# Altium PCB MB1419.PcbDoc (part 3 of 5) (continued)
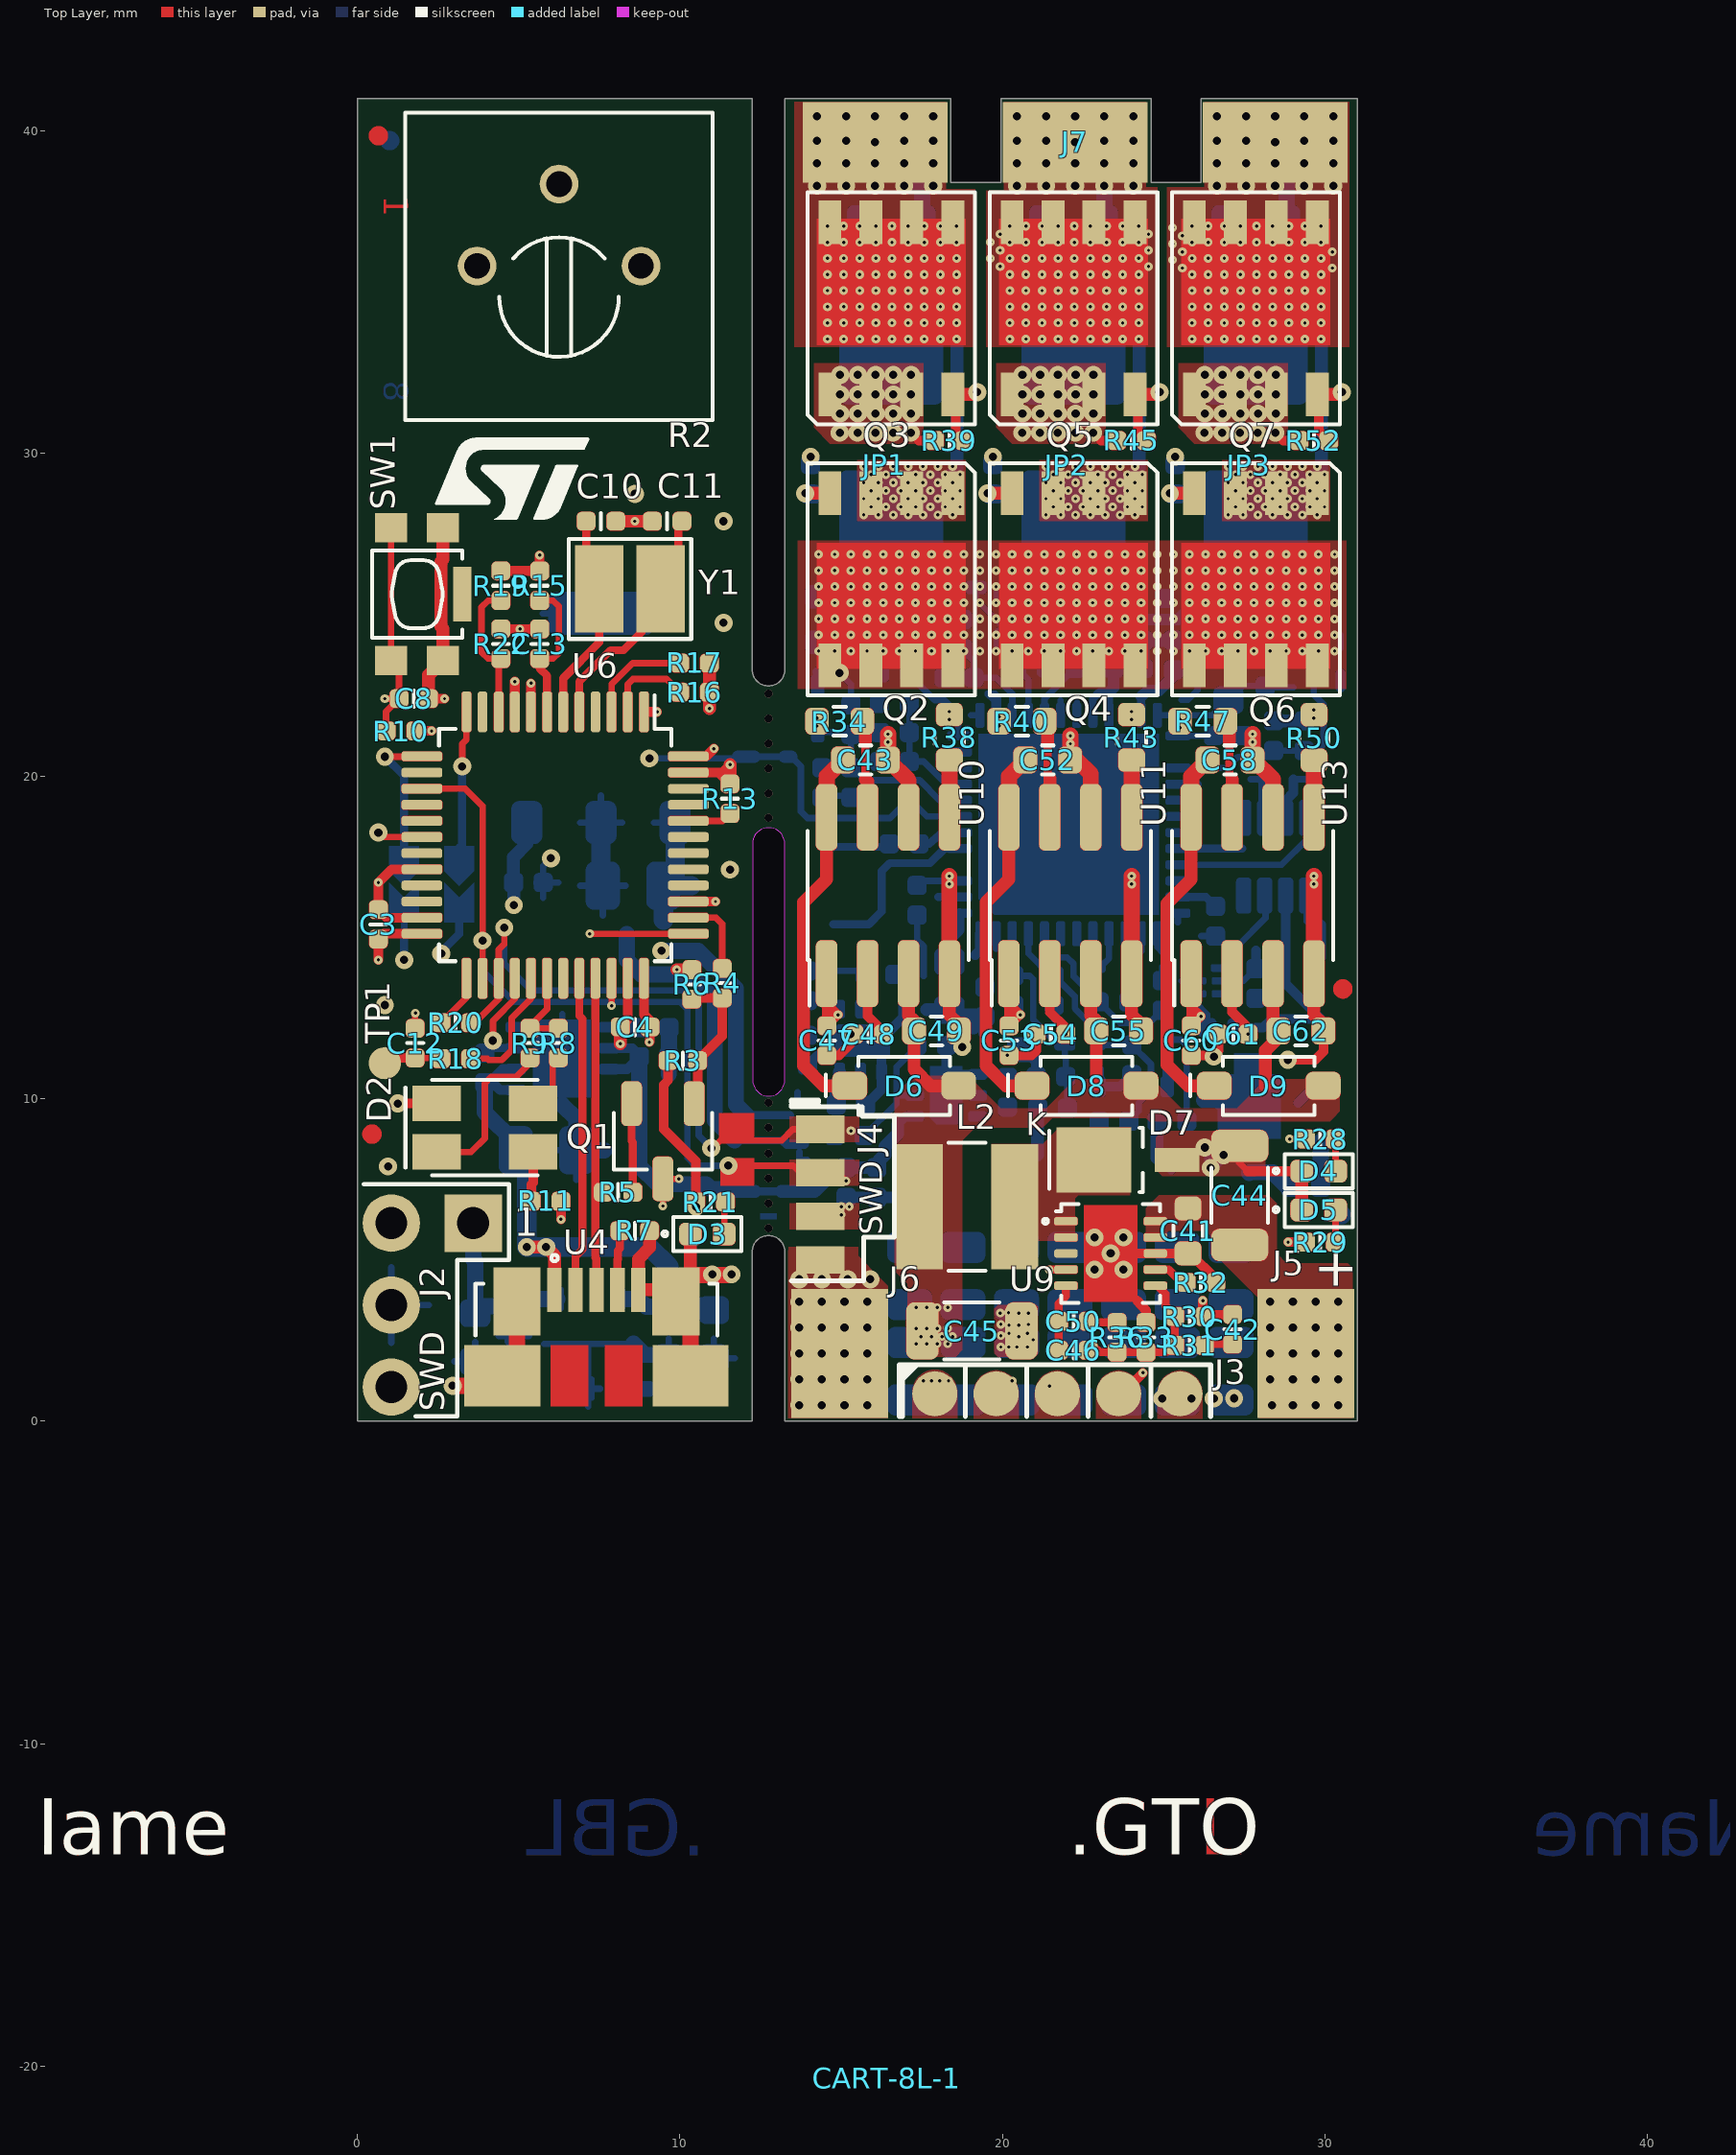
[diagram p0: Top Layer view]
## Nets (pads, with @x,y where several pads share a name; then routed paths per layer and width w, separated by ;. In a path a pad name is that pad's centre, name@x,y a point inside that pad or via, vN(x,y) a via of type N, cw(c..) or ccw(c..) an arc to the next point about the centre after c; other vN are vias at no path point) (continued)
  other v5: 26.65,38.3 27.55,38.3 28.45,38.3 29.35,38.3 30.25,38.3 26.65,39 27.55,39 29.35,39 30.25,39 26.65,39.7 27.55,39.7 29.35,39.7 30.25,39.7 26.65,40.45 27.55,40.45 28.45,40.45 29.35,40.45 30.25,40.45
"PA0 - BUSV": C23.1 D16.A R68.2 R76.1 U8.8 | length 6.8
  Bottom Layer w0.2: D16.A@14.27,21.37 14.697,21.37 14.747,21.32 14.753,21.32 14.783,21.29 R68.2@15.3,21.29 R76.1@15.3,20.26 ; C23.1@14.4,20.26 R76.1@15.3,20.26 ; U8.8@18.665,19.25 18.048,19.25 17.428,19.87 15.757,19.87 R76.1@15.3,20.26
PC13-UL: C47.1 U8.2 U10.1 | length 10.2
  Top Layer w0.3: v3(14.9,12.6) 14.894,12.6 v1@14.892,12.602 ; U10.1@14.55,12.944 14.545,12.949 U10.1@14.545,13.875 14.55,13.87 U10.1@14.55,12.944 ; U10.1@14.55,12.944 v1@14.892,12.602 ; U10.1@14.55,12.944 C47.1@14.55,12.26 v1@14.892,12.602
  Signal Layer 2 w0.3: v3(14.9,12.6) v6(15.2,12.9)
  Signal Layer 4 w0.25: v6(15.2,12.9) 15.35,13.05 15.35,15.4 15.95,16 v6(17.65,16)
  Signal Layer 5 w0.2: v6(17.65,16) 17.75,16 v4(18,16.25)
  Bottom Layer w0.25: v4(18,16.25) U8.2@18.665,16.25
  other v1: 14.9,12.6
  other v2: 18,16.25
PWM: J3.4 U8.38 | length 15
  Top Layer w0.2: J3.4@23.6,0.85 J3.4@23.7,0.85
  Top Layer w0.3: J3.4@23.7,0.85 v3(24.35,1.5)
  Signal Layer 2 w0.2: v3(24.35,1.5) v6(24.35,2.016)
  Signal Layer 4 w0.2: v6(24.35,2.016) 24.35,2.75 24.85,3.25 24.85,13.2 24.4,13.65 v6(24.4,14.25)
  Signal Layer 5 w0.2: v6@24.3,14.5 24.3,14.4 24.4,14.3 v6(24.4,14.25)
  Bottom Layer w0.2: v4(24.3,14.575) U8.38@24.3,15.115
  other v1: 24.35,1.5
  other v2: 24.3,14.575
PWR_ENN: R12.2 U5.3 U6.28 | length 4.1
  Top Layer w0.2: v5(4.2,11.8) 4.2,12.406 4.259,12.466 4.259,12.473 4.88,13.093 U6.28@4.88,13.73
  Bottom Layer w0.2: R12.2@3.95,11.41 R12.2@3.95,11.55 ; R12.2@3.95,11.55 v5(4.2,11.8) 4.15,11.8 3.95,11.6 R12.2@3.95,11.55
  Bottom Layer w0.25: R12.2@3.95,11.41 4.105,11.565 U5.3@4.905,11.565
S1: R1.1 U1.4 | length 1.2
  Bottom Layer w0.2: U1.4@25.98,13.25 25.98,12.97 26.34,12.61 R1.1@26.34,12.2
SPEED: C22.1 R2.2 U8.25 | length 40.3
  Signal Layer 3 w0.2: R2.2@6.25,38.355 6.25,27.25 11.327,22.173 13.177,22.173 15.95,19.4 15.95,17.8 17.179,16.571 19.421,16.571 20.45,17.6 v6(23.25,17.6)
  Signal Layer 4 w0.2: v6(23.25,17.6) 23.25,18.35 v6(26.15,21.25)
  Signal Layer 5 w0.2: v6(26.15,21.25) v4(26.55,21.25)
  Bottom Layer w0.2: U8.25@25.435,21.25 C22.1@26.54,21.25 v4(26.55,21.25)
  other v2: 26.55,21.25
STATUS: R28.1 U8.29 | length 14.7
  Top Layer w0.2: v3(28.9,8.75) R28.1@29.39,8.75
  Signal Layer 2 w0.2: v6(28.45,8.75) v3(28.9,8.75)
  Signal Layer 4 w0.2: v6(25.55,19.25) 25.55,15.849 26,15.399 26,14.05 25.25,13.3 25.25,11.3 27.8,8.75 v6(28.45,8.75)
  Signal Layer 5 w0.2: v6(25.55,19.25) 25.95,19.25 v4(25.975,19.275)
  Bottom Layer w0.2: U8.29@25.435,19.25 25.993,19.25 v2@26.025,19.282
  other v1: 28.9,8.75
  other v2: 25.975,19.275
STM_JTCK: J2.2 U6.37 | length 14.9
  Top Layer w0.2: v3(7.2,15.11) U6.37@10.26,15.11
  Signal Layer 2 w0.2: v6(6.684,15.11) v3(7.2,15.11)
  Signal Layer 3 w0.2: J2.2@1.05,6.14 1.05,6.916 6.684,12.55 v6(6.684,15.11)
  other v1: 7.2,15.11
STM_JTMS: J2.4 U6.34 | length 15.5
  Top Layer w0.2: v3(7.88,12.88) U6.34@7.88,13.73
  Signal Layer 2 w0.2: v6(7.6,12.55) 7.88,12.83 v3(7.88,12.88)
  Signal Layer 3 w0.2: J2.4@1.05,1.06 2.25,2.26 2.25,7.2 v6(7.6,12.55)
  other v1: 7.88,12.88
STM_RST: C13.1 R15.2 U6.7 | length 4.5
  Top Layer w0.2: C13.1@5.65,23.64 6.06,23.64 6.25,23.83 6.25,25.25 6.06,25.44 R15.2@5.65,25.44
  Top Layer w0.25: C13.1@5.65,23.64 5.65,23.34 5.88,23.11 U6.7@5.88,21.99
T_JTCK: J4.2 U6.15 U6.26 U8.37 | length 42.9
  Top Layer w0.2: U6.15@2,19.61 3.34,19.61 3.88,19.07 v5(3.88,14.9) U6.26@3.88,13.73 ; v5(11.5,7.923) 13.511,7.923 13.534,7.9 13.792,7.642 13.85,7.7 J4.2@14.35,7.7 14.85,7.7 14.862,7.688 14.912,7.688 v3(15.15,7.45)
  Signal Layer 2 w0.2: v3(15.15,7.45) v6(15.55,7.45)
  Signal Layer 3 w0.2: v6(17.021,14.1) 18.55,14.1 19.5,15.05 23.194,15.05 23.386,14.858 24.692,14.858 25.05,14.5 v6(25.4,14.5)
  Signal Layer 4 w0.2: v6(15.55,7.45) 15.55,8.15 17.1,9.7 17.1,12.75 17.021,12.829 v6(17.021,14.1)
  Signal Layer 5 w0.2: v4@24.975,14.506 25.394,14.506 v6(25.4,14.5)
  Bottom Layer w0.2: v5(3.88,14.9) 3.88,13.97 4.85,13 10,13 10.23,12.77 10.23,8.17 10.477,7.923 v5(11.5,7.923) ; U8.37@24.8,15.115 24.8,14.7 v4(24.975,14.525)
  other v1: 15.15,7.45
  other v2: 24.975,14.525
T_JTDI: U6.17
T_JTDO: U6.16
T_JTMS: J4.1 R20.2 U6.27 U8.36 | length 36.6
  Top Layer w0.2: R20.2@3.51,12.35 3.642,12.35 4.38,13.088 U6.27@4.38,13.73 4.38,14.621 4.55,14.791 v5(4.55,15.3) ; v5(10.969,8.469) 11.019,8.469 11.25,8.7 13.15,8.7 13.5,9.05 J4.1@14.35,9.05 14.4,9.1 J4.1@14.85,9.1
  Signal Layer 2 w0.2: v6@15.3,9.1 v6(15.3,9.35)
  Signal Layer 3 w0.2: v6(16.35,14.6) 16.45,14.6 16.479,14.629 18.379,14.629 19.15,15.4 23.339,15.4 23.489,15.25 24.654,15.25 24.683,15.222 v6(25.189,15.222)
  Signal Layer 4 w0.2: v6(15.3,9.35) 16.255,9.35 16.75,9.845 16.75,12.5 16.35,12.9 v6(16.35,14.6)
  Signal Layer 5 w0.2: v6(25.189,15.222) 25.432,15.465 v4(25.435,15.465)
  Bottom Layer w0.2: v5(4.55,15.3) 4.55,14.2 5.4,13.35 10.145,13.35 10.58,12.915 10.58,8.858 v5(10.969,8.469) ; v4(25.435,15.465) U8.36@25.435,15.75
  other v1: 15.3,9
  other v2: 25.435,15.465
  other v3: 15.3,9
T_NRST: C21.1 U6.18 U8.7 | length 22.5
  Top Layer w0.2: v5(0.65,18.25) 0.79,18.11 U6.18@2,18.11
  Signal Layer 3 w0.2: v5(0.65,18.25) 4.45,18.25 6.75,20.55 v5(9.05,20.55)
  Bottom Layer w0.2: v5(9.05,20.55) 11.75,20.55 11.8,20.6 ; 12.3,20.6 13.25,20.6 ; 13.45,20.6 13.75,20.3 13.75,18.901 13.95,18.701 15.656,18.701 ; 15.657,18.7 16.51,18.7 C21.1@17.11,19.3 17.66,18.75 U8.7@18.665,18.75
  Bottom Layer w0.4: 11.8,20.6 12.3,20.6 ; 13.25,20.6 13.45,20.6
T_SWDIO_IN: R20.1 U6.25 | length 1.7
  Top Layer w0.2: R20.1@2.59,12.35 3.38,13.14 U6.25@3.38,13.73
T_SWO: U6.31
"TEMPERATURE FEEDBACK": C66.1 R60.1 RT1.2 U8.27 | length 10.7
  Bottom Layer w0.2: U8.27@25.435,20.25 26.95,20.25 27.296,20.596 28.205,20.596 C66.1@28.4,20.79 R60.1@29.35,20.79 29.75,20.79 29.95,20.99 29.95,22.223 29.65,22.523 29.65,25.7 29.45,25.9 RT1.2@28.66,25.9
U5V: C7.1 C14.1 C15.1 R3.2 R12.1 R21.1 U4.1 U5.1 U5.2 U7.1 U7.6 | length 31.5
  Top Layer w0.3: R3.2@9.63,11.18 9.63,10.563 9.5,10.433 9.5,9.05 10.49,8.06 R21.1@10.49,6.8
  Top Layer w0.4: v5(5.25,5.4) v5(5.85,5.4) 6.111,5.139 U4.1@6.111,4.074 ; R21.1@10.49,6.8 10.49,6.66 v5(10.5,6.65)
  Signal Layer 5 w0.3: v4(8.8,1) 9.05,1.25 9.05,4 9.65,4.6 v4(9.65,4.8) 9.65,5.8 v5(10.5,6.65)
  Bottom Layer w0.2: 8.5,1 8.508,1.008
  Bottom Layer w0.3: R12.1@3.95,10.49 R12.1@4.075,10.49 ; U5.1@4.905,10.265 4.425,10.265 4.2,10.49 R12.1@4.075,10.49 ; U5.2@4.905,10.915 4.5,10.915 R12.1@4.075,10.49
  Bottom Layer w0.5: R12.1@3.95,10.49 3.95,9.575 4.91,8.615 C7.1@4.91,8.4 ; U7.1@8.1,1.01 8.49,1.01 8.5,1 v4(8.8,1) ; U7.6@8.1,3.79 8.713,3.79 8.958,3.545 9.55,3.545 C14.1@9.65,3.445 ; 8.508,1.008 8.791,1.008 v4(8.8,1) ; 9.05,1 v4(8.8,1)
  Bottom Layer w0.6: C7.1@4.91,8.4 5.25,8.06 v5(5.25,5.4) v5(5.85,5.4) 9.05,5.4 v4(9.65,4.8) C14.1@9.65,3.445 9.75,3.545 10.95,3.545 C15.1@11.05,3.445
  other v2: 8.8,1 9.65,4.8
UH: C48.1 U8.30 U10.2 | length 21.1
  Top Layer w0.2: C48.1@16.278,12 16.278,11.932 C48.1@16.288,11.922 ; C48.1@16.288,11.978 C48.1@16.31,12
  Top Layer w0.3: U10.2@15.815,13.875 15.815,12.563 16.288,12.09 16.288,11.978 C48.1@16.288,11.922
  Signal Layer 2 w0.3: v6(16,12.1) 16.01,12.1 v3(16.31,11.8)
  Signal Layer 3 w0.25: v6(16.65,15.4) 18.325,15.4 18.75,15.825 26.025,15.825 26.811,16.611 26.811,18.66 v6(26.45,18.95)
  Signal Layer 4 w0.25: v6(16,12.1) 15.754,12.346 15.754,15.15 16.004,15.4 v6(16.65,15.4)
  Signal Layer 5 w0.2: v4(26.052,18.75) 26.25,18.75 v6(26.45,18.95)
  Bottom Layer w0.2: U8.30@25.435,18.75 v4(26.052,18.75)
  other v1: 16.31,11.8
  other v2: 26.052,18.75
USART2_RX: J3.3 R23.1 U8.42 | length 43.5
  Top Layer w0.2: v3(21.45,1.087) 21.513,1.087 21.7,0.9 J3.3@21.7,0.85
  Signal Layer 2 w0.2: v3(21.45,1.087) v6(21.45,1.55)
  Signal Layer 3 w0.2: v5(2.6,14.501) 2.6,14.9 6.859,19.159 12.191,19.159 12.257,19.093 13.353,19.093 13.75,18.696 13.75,15.205 16.784,12.171 19.329,12.171 19.8,11.7 20.951,11.7 v6(21.601,11.051)
  Signal Layer 4 w0.2: v6(21.45,1.55) 21.8,1.9 21.8,10.345 21.601,10.544 v6(21.601,11.051)
  Signal Layer 5 w0.2: v6(21.601,11.051) 22.509,11.959 22.509,14.319 22.3,14.528 v4(22.3,14.95)
  Bottom Layer w0.2: v4(22.3,14.95) U8.42@22.3,15.115
  Bottom Layer w0.25: v5(2.6,14.501) 2.6,14.55 3.15,15.1 R23.1@3.15,16.085
  other v1: 21.45,1.087
  other v2: 22.3,14.95
USART2_RX_ST_LINK: J3.2 R24.1 U8.41 | length 47.7
  Top Layer w0.2: J3.2@19.8,0.85 19.9,0.85 v3(20.3,1.25)
  Signal Layer 2 w0.2: v3(20.3,1.25) v6(20.75,1.25)
  Signal Layer 3 w0.2: v5(1.45,14.3) 6.75,19.6 11.549,19.6 11.799,19.85 13.15,19.85 14.2,18.8 14.2,15.25 16.9,12.55 18.55,12.55 18.804,12.804 20.596,12.804 v6(22.4,11)
  Signal Layer 4 w0.2: v6(20.75,1.25) 21,1 21.649,1 22.25,1.601 22.25,10.344 22.4,10.494 v6(22.4,11)
  Signal Layer 5 w0.2: v6(22.4,11) 22.859,11.459 22.859,14.464 22.8,14.523 v4(22.8,14.9)
  Bottom Layer w0.2: 1.45,15.16 R24.1@1.45,16.085 ; v4(22.8,14.9) U8.41@22.8,15.115
  Bottom Layer w0.25: v5(1.45,14.3) 1.45,15.16
  other v1: 20.3,1.25
  other v2: 22.8,14.9
USB_DM: U4.2 U6.32 | length 9.8
  Top Layer w0.25: U4.2@6.761,4.074 6.761,5.111 6.98,5.33 6.98,12.47 6.88,12.57 U6.32@6.88,13.73
USB_DP: R5.2 U4.3 U6.33 | length 9.9
  Top Layer w0.2: R5.2@7.38,7.1 R5.2@7.62,7.1
  Top Layer w0.25: U6.33@7.38,13.73 7.38,7.1 7.38,5.07 7.411,5.039 7.411,4.075 U4.3@7.41,4.074
USB_RENUMN: R4.1 U6.38 | length 2.5
  Top Layer w0.2: U6.38@10.26,15.61 11.117,15.61 11.31,15.417 R4.1@11.31,14.04
V+: C27.2 C28.2 C29.2 C30.2 C31.2 C32.2 C33.2 C34.2 C35.2 C36.2 C37.2 C38.2 C39.2 C40.2 C41.1 C44.1 D20.C J5.1 Q2.5 Q2.6 Q2.7 Q2.8 Q4.5 Q4.6 Q4.7 Q4.8 Q6.5 Q6.6 Q6.7 Q6.8 R68.1 U9.4 U9.9 U9.10 | length 1.7
  Top Layer w0.2: Q2.5@14.64,23.43 Q2.5@14.645,23.435
  Top Layer w0.25: v1(21.45,4.7) U9.4@21.965,4.7
  Bottom Layer w0.2: v5(14.95,23.2) 15.3,22.85 R68.1@15.3,22.21
  other v1: 14.298,23.875 14.798,23.875 15.298,23.875 15.798,23.875 16.298,23.875 16.798,23.875 17.298,23.875 17.798,23.875 18.298,23.875 18.796,23.874 19.296,23.874 19.796,23.874 20.296,23.874 20.796,23.874 21.296,23.874 21.796,23.874 22.296,23.874 22.794,23.874 23.294,23.874 23.794,23.874 24.294,23.874 24.794,23.874 25.294,23.874 25.794,23.874 26.294,23.874 26.792,23.873 27.292,23.873 27.792,23.873 28.292,23.873 28.792,23.873 29.292,23.873 29.792,23.873 30.292,23.873 14.298,24.375 14.798,24.375 15.298,24.375 15.798,24.375 16.298,24.375 16.798,24.375 17.298,24.375 17.798,24.375 18.298,24.375 18.796,24.374 19.296,24.374 19.796,24.374 20.296,24.374 20.796,24.374 21.296,24.374 21.796,24.374 22.296,24.374 22.794,24.374 23.294,24.374 23.794,24.374 24.294,24.374 24.794,24.374 25.294,24.374 25.794,24.374 26.294,24.374 26.792,24.373 27.292,24.373 27.792,24.373 28.292,24.373 28.792,24.373 29.292,24.373 29.792,24.373 30.292,24.373 14.298,24.875 14.798,24.875 15.298,24.875 15.798,24.875 16.298,24.875 16.798,24.875 17.298,24.875 17.798,24.875 18.298,24.875 18.796,24.874 19.296,24.874 19.796,24.874 20.296,24.874 20.796,24.874 21.296,24.874 21.796,24.874 22.296,24.874 22.794,24.874 23.294,24.874 23.794,24.874 24.294,24.874 24.794,24.874 25.294,24.874 25.794,24.874 26.294,24.874 26.792,24.873 27.292,24.873 27.792,24.873 28.292,24.873 28.792,24.873 29.292,24.873 29.792,24.873 30.292,24.873 14.298,25.375 14.798,25.375 15.298,25.375 15.798,25.375 16.298,25.375 16.798,25.375 17.298,25.375 17.798,25.375 18.298,25.375 18.796,25.374 19.296,25.374 19.796,25.374 20.296,25.374 20.796,25.374 21.296,25.374 21.796,25.374 22.296,25.374 22.794,25.374 23.294,25.374 23.794,25.374 24.294,25.374 24.794,25.374 25.294,25.374 25.794,25.374 26.294,25.374 26.792,25.373 27.292,25.373 27.792,25.373 28.292,25.373 28.792,25.373 29.292,25.373 29.792,25.373 30.292,25.373 14.298,25.875 14.798,25.875 15.298,25.875 15.798,25.875 16.298,25.875 16.798,25.875 17.298,25.875 17.798,25.875 18.298,25.875 18.796,25.874 19.296,25.874 19.796,25.874 20.296,25.874 20.796,25.874 21.296,25.874 21.796,25.874 22.296,25.874 22.794,25.874 23.294,25.874 23.794,25.874 24.294,25.874 24.794,25.874 25.294,25.874 25.794,25.874 26.294,25.874 26.792,25.873 27.292,25.873 27.792,25.873 28.292,25.873 28.792,25.873 29.292,25.873 29.792,25.873 30.292,25.873 14.298,26.375 14.798,26.375 15.298,26.375 15.798,26.375 16.298,26.375 16.798,26.375 17.298,26.375 17.798,26.375 18.298,26.375 18.796,26.374 19.296,26.374 19.796,26.374 20.296,26.374 20.796,26.374 21.296,26.374 21.796,26.374 22.296,26.374 22.794,26.374 23.294,26.374 23.794,26.374 24.294,26.374 24.794,26.374 25.294,26.374 25.794,26.374 26.294,26.374 26.792,26.373 27.292,26.373 27.792,26.373 28.292,26.373 28.792,26.373 29.292,26.373 29.792,26.373 30.292,26.373 14.298,26.875 14.798,26.875 15.298,26.875 15.798,26.875 16.298,26.875 16.798,26.875 17.298,26.875 17.798,26.875 18.298,26.875 18.796,26.874 19.296,26.874 19.796,26.874 20.296,26.874 20.796,26.874 21.296,26.874 21.796,26.874 22.296,26.874 22.794,26.874 23.294,26.874 23.794,26.874 24.294,26.874 24.794,26.874 25.294,26.874 25.794,26.874 26.294,26.874 26.792,26.873 27.292,26.873 27.792,26.873 28.292,26.873 28.792,26.873 29.292,26.873 29.792,26.873 30.292,26.873
  other v5: 28.35,0.5 29,0.5 29.7,0.5 30.4,0.5 28.3,1.3 29,1.3 29.7,1.3 30.4,1.3 28.3,2.1 29,2.1 29.7,2.1 30.4,2.1 28.3,2.9 29,2.9 29.7,2.9 30.4,2.9 28.3,3.7 29,3.7 29.7,3.7 30.4,3.7
VH: C54.1 U8.31 U11.2 | length 13.9
  Top Layer w0.3: U11.2@21.465,13.875 21.465,12.685 21.96,12.19 v3(21.96,12)
  Signal Layer 2 w0.3: v6(21.85,12.45) 21.96,12.34 v3(21.96,12)
  Signal Layer 3 w0.25: v6(21.45,17.071) 22.179,17.071 22.613,16.637 24.983,16.637 v6(26.229,17.884)
  Signal Layer 4 w0.2: v6(21.45,17.071) 21.45,12.85 v6(21.85,12.45)
  Signal Layer 5 w0.2: v4(26.05,18.25) 26.05,18.063 v6(26.229,17.884)
  Bottom Layer w0.2: U8.31@25.435,18.25 v4(26.05,18.25)
  other v1: 21.96,12
  other v2: 26.05,18.25
VL: C53.1 U8.34 U11.1 | length 14.7
  Top Layer w0.3: v3(20.55,12.6) v1@20.54,12.6 ; U11.1@20.2,12.94 20.195,12.945 U11.1@20.195,13.875 20.2,13.87 U11.1@20.2,12.94 ; U11.1@20.2,12.94 v1@20.54,12.6 ; U11.1@20.2,12.94 C53.1@20.2,12.26 v1@20.54,12.6
  Signal Layer 2 w0.3: v6(20.225,12.275) v3(20.55,12.6)
  Signal Layer 3 w0.25: v6(20.85,16.5) 22.079,16.5 22.354,16.225 25.575,16.225 v6(26.1,16.75)
  Signal Layer 4 w0.25: v6(20.225,12.275) 20.85,12.9 v6(20.85,16.5)
  Signal Layer 5 w0.2: v4(25.7,16.75) v6(26.1,16.75)
  Bottom Layer w0.2: U8.34@25.435,16.75 v4(25.7,16.75)
  other v1: 20.55,12.6
  other v2: 25.7,16.75
"VSHUNT_1 +": Q3.1 Q3.2 Q3.3 R39.2 R54.1 R67.2 | length 15.3
  Top Layer w0.2: v5@15.355,30.645 v5(15.505,30.645) ; v5@15.905,30.645 v5@16.015,30.645
  Top Layer w0.3: 17.409,30.4 R39.2@17.89,30.4
  Signal Layer 4 w0.2: v6(15.55,20.55) 15.55,25.505 14.85,26.205 14.85,29.48 15.42,30.05 16.405,30.05 16.605,30.25 v5(16.605,30.645)
  Signal Layer 5 w0.2: v6(15.55,20.55) 16.09,20.55 v4(16.19,20.45)
  Bottom Layer w0.2: v5@14.815,31.235 v5(14.965,31.235) v5@15.365,31.235 ; v5@15.905,30.645 v5(16.055,30.645) v5(16.605,30.645) v5@17.005,30.645 ; v5@15.915,31.235 v5(16.065,31.235) v5@16.465,31.235
  other v2: 16.19,20.45
  other v5: 14.955,30.645 17.155,30.645 15.515,31.235 16.615,31.235 17.165,31.235 14.965,31.835 15.515,31.835 16.065,31.835 16.615,31.835 17.165,31.835 14.965,32.435 15.515,32.435 16.065,32.435 16.615,32.435 17.165,32.435
"VSHUNT_2 +": Q5.1 Q5.2 Q5.3 R45.2 R55.1 R69.2 | length 9.3
  Top Layer w0.2: v5@21.055,30.645 v5(21.155,30.645)
  Top Layer w0.3: 23.059,30.4 R45.2@23.54,30.4
  Signal Layer 4 w0.2: v6(18.85,25.25) 18.85,25.75 20.4,27.3 20.4,29.445 21.005,30.05 22.055,30.05 22.255,30.25 v5(22.255,30.645)
  Signal Layer 5 w0.2: v4(18.04,25.25) v6(18.85,25.25)
  Bottom Layer w0.2: R69.2@17.84,24.85 17.84,24.95 18.04,25.15 v4(18.04,25.25)
  other v2: 18.04,25.25
  other v5: 20.605,30.645 21.705,30.645 22.805,30.645 20.615,31.235 21.165,31.235 21.715,31.235 22.265,31.235 22.815,31.235 20.615,31.835 21.165,31.835 21.715,31.835 22.265,31.835 22.815,31.835 20.615,32.435 21.165,32.435 21.715,32.435 22.265,32.435 22.815,32.435
"VSHUNT_3 +": Q7.1 Q7.2 Q7.3 R52.2 R56.1 R70.2 | length 12.2
  Top Layer w0.3: 28.709,30.4 R52.2@29.19,30.4
  Signal Layer 4 w0.2: v6(22.89,24.51) 22.89,24.004 23.044,23.85 24.305,23.85 25.05,24.595 25.05,26.845 25.95,27.745 25.95,29.345 26.635,30.03 27.8,30.03 27.905,30.135 v5(27.905,30.645)
  Signal Layer 5 w0.2: v4(22.25,24.26) 22.5,24.51 v6(22.89,24.51)
  other v2: 22.25,24.26
  other v5: 26.255,30.645 26.805,30.645 27.355,30.645 28.455,30.645 26.265,31.235 26.815,31.235 27.365,31.235 27.915,31.235 28.465,31.235 26.265,31.835 26.815,31.835 27.365,31.835 27.915,31.835 28.465,31.835 26.265,32.435 26.815,32.435 27.365,32.435 27.915,32.435 28.465,32.435
WH: C61.1 U8.32 U13.2 | length 9.9
  Top Layer w0.3: U13.2@27.115,13.875 27.115,12.685 27.61,12.19 v3(27.61,12)
  Signal Layer 2 w0.3: v6(27.6,12.35) 27.61,12.34 v3(27.61,12)
  Signal Layer 4 w0.2: v6(27.6,12.35) 27.6,12.45 27.61,12.46 v6@27.61,12.5
  Signal Layer 4 w0.25: v6(27.45,17.3) 27.45,13.4 27.61,13.24 v6@27.61,12.5
  Signal Layer 5 w0.2: v4@27.437,17.74 27.45,17.727 v6(27.45,17.3)
  Bottom Layer w0.25: U8.32@25.435,17.75 v4(27.437,17.75)
  other v1: 27.61,12
  other v2: 27.437,17.75
WL: C60.1 U8.28 U13.1 | length 13.2
  Top Layer w0.3: v3(26.15,12.55) v1@26.14,12.55 ; U13.1@25.85,12.84 C60.1@25.85,12.26 v1@26.14,12.55 ; U13.1@25.85,12.84 25.85,13.87 U13.1@25.845,13.875 25.845,12.845 U13.1@25.85,12.84 ; U13.1@25.85,12.84 v1@26.14,12.55
  Signal Layer 2 w0.3: v6(25.8,12.3) 26.05,12.55 v3(26.15,12.55)
  Signal Layer 4 w0.25: v6(25.8,12.3) 25.8,13.081 26.896,14.177 26.896,18.13 27.05,18.284 27.05,19.268 v6(26.568,19.75)
  Signal Layer 5 w0.2: v4(26.052,19.75) v6(26.568,19.75)
  Bottom Layer w0.25: U8.28@25.435,19.75 v4(26.052,19.75)
  other v1: 26.15,12.55
  other v2: 26.052,19.75
Z+/H3: C69.1 D19.A R73.1 R77.1 U8.46 | length 6.5
  Bottom Layer w0.2: U8.46@20.3,15.115 20.3,14.377 20.35,14.327 C69.1@20.35,13.81 20.84,13.81 20.95,13.7 20.95,12.45 21.7,11.7 D19.A@21.93,11.7 21.93,11.273 21.96,11.243 R73.1@21.96,10.68 22.01,10.63 R77.1@22.01,9.7
pads on no net: "SW1. " CART-8L-1.1 U1.6 U5.8 U6.4 U6.11 U6.14 U6.19 U6.21 U6.22 U6.40 U6.41 U6.42 U6.43 U6.45 U6.46 U7.3 U7.5 U8.4 U8.22 U8.26 U9.3 U12.3 U14.3
copper on no net: | length 3.1
  Top Layer w0.4: 0.55,8.9 ccw(c0.45,8.9) 0.55,8.9 ; 0.75,39.85 ccw(c0.65,39.85) 0.75,39.85 ; 30.65,13.4 ccw(c30.55,13.4) 30.65,13.4
  Bottom Layer w0.4: 1.1,39.7 ccw(c1,39.7) 1.1,39.7 ; 30.6,6.4 ccw(c30.5,6.4) 30.6,6.4
  other v7: 12.75,5.98 12.75,6.75 12.75,7.523 12.75,8.3 12.75,9.1 12.75,9.87 12.75,18.7 12.75,19.47 12.75,20.24 12.75,21.01 12.75,21.78 12.75,22.55

## Polygon pours and split planes (outlines as drawn)
no net on Top Solder (solid): 13.375,4.6 15.525,4.6 15.525,5.4 13.375,5.4 13.375,4.6
no net on Top Solder (solid): 13.4,5.95 15.55,5.95 15.55,6.75 13.4,6.75 13.4,5.95
no net on Top Solder (solid): 13.4,7.3 15.55,7.3 15.55,8.1 13.4,8.1 13.4,7.3
no net on Top Solder (solid): 13.4,8.65 15.55,8.65 15.55,9.45 13.4,9.45 13.4,8.65
no net on Top Solder (solid): 11.2,8.6 12.35,8.6 12.35,9.55 11.2,9.55 11.2,8.6
no net on Top Solder (solid): 11.25,7.9 11.25,7.3 12.3,7.3 12.3,8.15 11.5,8.15 11.45,8.1 11.25,7.9
no net on Top Solder (solid): 42 vertices, not listed, extent 24.8,0.075 26.2,1.575
no net on Top Solder (solid): 42 vertices, not listed, extent 22.9,0.075 24.3,1.575
no net on Top Solder (solid): 42 vertices, not listed, extent 21,0.075 22.4,1.575
no net on Top Solder (solid): 42 vertices, not listed, extent 19.1,0.075 20.5,1.575
no net on Top Solder (solid): 42 vertices, not listed, extent 17.2,0.1 18.6,1.6
no net on Bottom Solder "BOTTOM_N16851489_P497" (solid): 82 vertices, not listed, extent 22.6,7.05 24,8.45
no net on Bottom Solder "BOTTOM_N16851515_P495" (solid): 82 vertices, not listed, extent 20.7,7.05 22.1,8.45
no net on Bottom Solder "BOTTOM_N168514550_P492" (solid): 64 vertices, not listed, extent 24.5,7.05 25.9,8.45
no net on Bottom Solder "BOTTOM_GND_P496" (solid): 82 vertices, not listed, extent 16.9,7.05 18.3,8.45
no net on Bottom Solder "BOTTOM_5V_ESC_P494" (solid): 82 vertices, not listed, extent 18.8,7.05 20.2,8.45
no net on Bottom Solder "BOTTOM_OP1_OUT_P480" (solid): 18.05,20.75 18.05,21.95 17.95,22.05 17.7,22.05 17.65,22 17.65,20.75
no net on Bottom Solder (solid): 13.45,4.1 13.45,0.1 16.15,0.1 16.15,4.1 13.45,4.1
no net on Bottom Solder (solid): 11.3,6.9 12.3,6.9 12.3,7.45 11.3,7.45 11.3,6.9
no net on Bottom Solder (solid): 11.55,6.7 11.55,5.85 12.3,5.85 12.3,6.7 11.55,6.7
no net on Bottom Solder (solid): 13.15,6.65 13.15,6 14.2,6 14.2,6.65 13.15,6.65
no net on Bottom Solder (solid): 13.3,7.7 14.05,7.7 14.2,7.85 14.2,8.75 14,8.95 13.3,8.95 13.2,8.85 13.2,7.8 13.3,7.7
no net on Bottom Solder (solid): 11.5,9.05 12.25,9.05 12.35,8.95 12.35,8.5 12.25,8.4 11.55,8.4 11.45,8.5 11.45,9 11.5,9.05
no net on Bottom Solder (solid): 11.9,9.25 12.25,9.25 12.35,9.35 12.35,9.9 11.95,10.3 11.55,10.3 11.5,10.25 11.5,9.65 11.9,9.25
no net on Bottom Solder (solid): 13.25,9.3 14.15,9.3 14.2,9.35 14.2,10.45 14.15,10.5 13.8,10.5 13.25,9.95 13.25,9.3
no net on Bottom Solder (solid): 42 vertices, not listed, extent 29.25,13.7 30.725,15.05
no net on Bottom Solder (solid): 42 vertices, not listed, extent 29.25,11.8 30.725,13.15
no net on Bottom Solder (solid): 42 vertices, not listed, extent 29.25,9.9 30.725,11.25
no net on Bottom Solder (solid): 42 vertices, not listed, extent 29.225,7.95 30.725,9.35
+5V on Bottom Layer "+5V_L08_P000" (solid, pour order 0): 218 vertices, not listed, extent 0.25,14.8 11.95,40.7
GND on Bottom Layer "GND_L08_P002" (solid, pour order 2): 1962 vertices, not listed, extent 0.25,0.2 12.05,19.4
OP1_OUT on Bottom Layer "OP1_OUT_L08_P004" (solid, pour order 4): 18.2,20.45 18.05,20.6 18.05,21.95 17.95,22.05 17.7,22.05 17.65,22 17.65,20.75 17.95,20.45 18.2,20.45
+3.3V on Bottom Layer "+3.3V_L08_P006" (solid, pour order 6): 15.05,12.5 15.05,13 14.75,13.3 13.75,13.3 13.65,13.2 13.65,11.8 13.75,11.7 14.15,11.7 14.25,11.8 14.25,12.3 14.45,12.5 15.05,12.5
+3.3V on Bottom Layer "+3.3V_L08_P008" (solid, pour order 8): 17.95,15.2 17.95,13.9 18.25,13.6 18.75,13.6 19.15,13.2 19.65,13.2 19.65,13.7 19.45,13.7 19.35,13.8 19.35,14.7 19.05,14.7 18.75,15 18.75,15.3 18.05,15.3 17.95,15.2
5V_ESC on Bottom Layer "5V_ESC_L08_P010" (solid, pour order 10): 82 vertices, not listed, extent 18.8,7.05 20.2,8.45
5V_ESC on Bottom Layer "5V_ESC_L08_P012" (solid, pour order 12): 16.6,8.65 16.6,7.8 16.25,7.45 14.55,7.45 14.55,9.9 15.05,9.9 15.05,8.4 15.15,8.3 16.1,8.3 16.25,8.45 16.25,8.65 16.6,8.65
5V_ESC on Bottom Layer "5V_ESC_L08_P014" (solid, pour order 14): 13.15,7.45 13.15,6.95 14.25,6.95 14.25,7.45 13.15,7.45
5V_ESC on Bottom Layer "5V_ESC_L08_P016" (solid, pour order 16): 11.15,7.45 11.15,6.9 12.3,6.9 12.3,7.45 11.15,7.45
GND on Bottom Layer "GND_L08_P018" (solid, pour order 18): 334 vertices, not listed, extent 8.75,13.81 12.05,19.4
GND on Bottom Layer "GND_L08_P020" (solid, pour order 20): 272 vertices, not listed, extent 4.8,13.6 8.34,19.4
GND on Bottom Layer "GND_L08_P022" (solid, pour order 22): 98 vertices, not listed, extent 9.14,7.75 10.152,10.999
GND on Bottom Layer "GND_L08_P024" (solid, pour order 24): 42 vertices, not listed, extent 29.25,13.7 30.725,15.05
GND on Bottom Layer "GND_L08_P026" (solid, pour order 26): 28 vertices, not listed, extent 11.75,0.1 30.15,6.7
GND on Bottom Layer "GND_L08_P028" (solid, pour order 28): 82 vertices, not listed, extent 16.9,7.05 18.3,8.45
GND on Bottom Layer "GND_L08_P030" (solid, pour order 30): 26.2,29.5 26.2,28 24.9,28 24.9,26.5 30.6,26.5 30.6,29.5 26.2,29.5
GND on Bottom Layer "GND_L08_P032" (solid, pour order 32): 20.6,29.5 20.6,28 19.3,28 19.3,26.5 25,26.5 25,28 24.5,28 24.5,29.5 20.6,29.5
GND on Bottom Layer "GND_L08_P034" (solid, pour order 34): 14.95,29.5 14.95,28 13.65,28 13.65,26.5 19.35,26.5 19.35,28 18.85,28 18.85,29.5 14.95,29.5
NetJ8_1 on Bottom Layer "NETJ8_1_L08_P036" (solid, pour order 36): 64 vertices, not listed, extent 24.5,7.05 25.9,8.45
NetJ8_3 on Bottom Layer "NETJ8_3_L08_P038" (solid, pour order 38): 82 vertices, not listed, extent 20.7,7.05 22.1,8.45
NetJ8_2 on Bottom Layer "NETJ8_2_L08_P040" (solid, pour order 40): 82 vertices, not listed, extent 22.6,7.05 24,8.45
T_NRST on Bottom Layer "T_NRST_L08_P042" (solid, pour order 42): 11.3,20.975 11.3,19.925 12.3,19.925 12.3,20.975 11.3,20.975
T_NRST on Bottom Layer "T_NRST_L08_P044" (solid, pour order 44): 13.15,21 13.15,19.95 13.9,19.95 13.9,21 13.15,21
NetJ1_3 on Bottom Layer "NETJ1_3_L08_P046" (solid, pour order 46): 42 vertices, not listed, extent 29.25,11.8 30.725,13.15

## Text inside footprints (layer, text, board x,y; h text height)
JP3: M14-Top Assembly "2" at 27.825,29.5 h0.5; M14-Top Assembly "1" at 27.25,29.5 h0.5
L1: M15-Bottom Assembly "2" at 25.925,25.6 h0.75 r180; M15-Bottom Assembly "1" at 26.675,25.6 h0.75 r180
L2: M14-Top Assembly "1" at 20.45,6.975 h1 r180; M14-Top Assembly "2" at 17.65,7 h1 r180
Q1: M14-Top Assembly "2" at 8.72,10.255 h1 r180; M14-Top Assembly "1" at 10.57,10.255 h1 r180; M14-Top Assembly "3" at 9.695,7.705 h1 r180
Q2: M14-Top Assembly "3" at 16.125,29.05 h1 r180; M14-Top Assembly "1" at 18.575,29.05 h1 r180; M14-Top Assembly "2" at 17.4,29.05 h1 r180; M14-Top Assembly "8" at 18.675,23.8 h1 r180; M14-Top Assembly "7" at 17.4,23.8 h1 r180; M14-Top Assembly "6" at 16.125,23.8 h1 r180; M14-Top Assembly "4" at 14.875,29.05 h1 r180; M14-Top Assembly "5" at 14.85,23.8 h1 r180
Q3: M14-Top Assembly "1" at 14.525,31.55 h1; M14-Top Assembly "8" at 14.425,36.8 h1; M14-Top Assembly "2" at 15.7,31.55 h1; M14-Top Assembly "3" at 16.975,31.55 h1; M14-Top Assembly "4" at 18.225,31.55 h1; M14-Top Assembly "7" at 15.7,36.8 h1; M14-Top Assembly "6" at 16.975,36.8 h1; M14-Top Assembly "5" at 18.25,36.8 h1
Q4: M14-Top Assembly "5" at 20.5,23.8 h1 r180; M14-Top Assembly "4" at 20.525,29.05 h1 r180; M14-Top Assembly "6" at 21.775,23.8 h1 r180; M14-Top Assembly "7" at 23.05,23.8 h1 r180; M14-Top Assembly "8" at 24.325,23.8 h1 r180; M14-Top Assembly "2" at 23.05,29.05 h1 r180; M14-Top Assembly "1" at 24.225,29.05 h1 r180; M14-Top Assembly "3" at 21.775,29.05 h1 r180
Q5: M14-Top Assembly "1" at 20.175,31.55 h1; M14-Top Assembly "8" at 20.075,36.8 h1; M14-Top Assembly "2" at 21.35,31.55 h1; M14-Top Assembly "3" at 22.625,31.55 h1; M14-Top Assembly "4" at 23.875,31.55 h1; M14-Top Assembly "7" at 21.35,36.8 h1; M14-Top Assembly "6" at 22.625,36.8 h1; M14-Top Assembly "5" at 23.9,36.8 h1
Q6: M14-Top Assembly "5" at 26.15,23.8 h1 r180; M14-Top Assembly "4" at 26.175,29.05 h1 r180; M14-Top Assembly "6" at 27.425,23.8 h1 r180; M14-Top Assembly "7" at 28.7,23.8 h1 r180; M14-Top Assembly "8" at 29.975,23.8 h1 r180; M14-Top Assembly "2" at 28.7,29.05 h1 r180; M14-Top Assembly "1" at 29.875,29.05 h1 r180; M14-Top Assembly "3" at 27.425,29.05 h1 r180
Q7: M14-Top Assembly "1" at 25.825,31.55 h1; M14-Top Assembly "8" at 25.725,36.8 h1; M14-Top Assembly "2" at 27,31.55 h1; M14-Top Assembly "3" at 28.275,31.55 h1; M14-Top Assembly "4" at 29.525,31.55 h1; M14-Top Assembly "7" at 27,36.8 h1; M14-Top Assembly "6" at 28.275,36.8 h1; M14-Top Assembly "5" at 29.55,36.8 h1
R1: M15-Bottom Assembly "2" at 26.95,12.45 h0.75 r180; M15-Bottom Assembly "1" at 26.325,12.45 h0.75 r180
R2: M14-Top Assembly "3" at 9.025,36.1 h1 r180; M14-Top Assembly "2" at 6.5,38.675 h1 r180; M14-Top Assembly "10k" at 5.55,31.775 h1; M14-Top Assembly "1" at 3.825,36.1 h1 r180
R3: M14-Top Assembly "2" at 9.94,11.43 h0.75 r180; M14-Top Assembly "1" at 10.565,11.43 h0.75 r180
R4: M14-Top Assembly "2" at 11.06,13.43 h0.75 r270; M14-Top Assembly "1" at 11.06,14.055 h0.75 r270
R5: M14-Top Assembly "2" at 7.93,7.35 h0.75 r180; M14-Top Assembly "1" at 8.555,7.35 h0.75 r180
R6: M14-Top Assembly "2" at 10.12,13.39 h0.75 r270; M14-Top Assembly "1" at 10.12,14.015 h0.75 r270
R7: M14-Top Assembly "2" at 8.45,6.15 h0.75 r180; M14-Top Assembly "1" at 9.075,6.15 h0.75 r180
R8: M14-Top Assembly "2" at 5.98,11.57 h0.75 r270; M14-Top Assembly "1" at 5.98,12.195 h0.75 r270
R9: M14-Top Assembly "1" at 5.6,11.245 h0.75 r90; M14-Top Assembly "2" at 5.6,11.87 h0.75 r90
R10: M14-Top Assembly "2" at 1.2,21.65 h0.75 r180; M14-Top Assembly "1" at 1.825,21.65 h0.75 r180
R11: M14-Top Assembly "2" at 5.7,7.07 h0.75 r180; M14-Top Assembly "1" at 6.325,7.07 h0.75 r180
R12: M15-Bottom Assembly "2" at 3.7,11.1 h0.75 r270; M15-Bottom Assembly "1" at 3.7,10.475 h0.75 r270
R13: M14-Top Assembly "1" at 11.8,18.825 h0.75 r90; M14-Top Assembly "2" at 11.8,19.45 h0.75 r90
R14: M15-Bottom Assembly "2" at 9.35,12.45 h0.75 r180; M15-Bottom Assembly "1" at 8.725,12.45 h0.75 r180
R15: M14-Top Assembly "2" at 5.4,25.75 h0.75 r270; M14-Top Assembly "1" at 5.4,26.375 h0.75 r270
R16: M14-Top Assembly "1" at 9.975,22.35 h0.75; M14-Top Assembly "2" at 10.6,22.35 h0.75
R17: M14-Top Assembly "1" at 9.975,23.25 h0.75; M14-Top Assembly "2" at 10.6,23.25 h0.75
R18: M14-Top Assembly "1" at 2.575,10.99 h0.75; M14-Top Assembly "2" at 3.2,10.99 h0.75
R19: M14-Top Assembly "1" at 4.7,25.425 h0.75 r90; M14-Top Assembly "2" at 4.7,26.05 h0.75 r90
R20: M14-Top Assembly "1" at 2.575,12.1 h0.75; M14-Top Assembly "2" at 3.2,12.1 h0.75
R21: M14-Top Assembly "1" at 10.475,6.55 h0.75; M14-Top Assembly "2" at 11.1,6.55 h0.75
R22: M14-Top Assembly "1" at 4.7,23.625 h0.75 r90; M14-Top Assembly "2" at 4.7,24.25 h0.75 r90
R23: M15-Bottom Assembly "2" at 2.825,17 h1 r270; M15-Bottom Assembly "1" at 2.825,15.875 h1 r270
R24: M15-Bottom Assembly "1" at 1.125,15.875 h1 r270; M15-Bottom Assembly "2" at 1.125,17 h1 r270
R26: M15-Bottom Assembly "2" at 17.6,16 h0.75 r90; M15-Bottom Assembly "1" at 17.6,16.625 h0.75 r90
R27: M15-Bottom Assembly "2" at 17.1,18.15 h0.75 r180; M15-Bottom Assembly "1" at 16.475,18.15 h0.75 r180
R28: M14-Top Assembly "1" at 29.375,8.5 h0.75; M14-Top Assembly "2" at 30,8.5 h0.75
R29: M14-Top Assembly "1" at 29.375,5.3 h0.75; M14-Top Assembly "2" at 30,5.3 h0.75
R30: M14-Top Assembly "2" at 25.65,3.5 h0.75 r180; M14-Top Assembly "1" at 26.275,3.5 h0.75 r180
R31: M14-Top Assembly "2" at 25.65,2.6 h0.75 r180; M14-Top Assembly "1" at 26.275,2.6 h0.75 r180
R32: M14-Top Assembly "1" at 25.675,4.05 h0.75; M14-Top Assembly "2" at 26.3,4.05 h0.75
R33: M14-Top Assembly "2" at 24.2,2.45 h0.75 r270; M14-Top Assembly "1" at 24.2,3.075 h0.75 r270
R34: M14-Top Assembly "2" at 14.6,22.025 h1 r180; M14-Top Assembly "1" at 15.725,22.025 h1 r180
R35: M15-Bottom Assembly "2" at 13.8,29.35 h0.75 r270; M15-Bottom Assembly "1" at 13.8,28.725 h0.75 r270
R36: M14-Top Assembly "2" at 23.3,2.45 h0.75 r270; M14-Top Assembly "1" at 23.3,3.075 h0.75 r270
R37: M15-Bottom Assembly "2" at 15.55,37.325 h1 r180
R38: M14-Top Assembly "1" at 18.675,20.425 h1 r90; M14-Top Assembly "2" at 18.675,21.55 h1 r90
R39: M14-Top Assembly "2" at 18.2,30.65 h0.75 r180; M14-Top Assembly "1" at 18.825,30.65 h0.75 r180
R40: M14-Top Assembly "2" at 20.25,22.025 h1 r180; M14-Top Assembly "1" at 21.375,22.025 h1 r180
R41: M15-Bottom Assembly "2" at 19.45,29.35 h0.75 r270; M15-Bottom Assembly "1" at 19.45,28.725 h0.75 r270
R42: M15-Bottom Assembly "2" at 15.1,8.6 h0.75; M15-Bottom Assembly "1" at 15.725,8.6 h0.75
R43: M14-Top Assembly "1" at 24.325,20.425 h1 r90; M14-Top Assembly "2" at 24.325,21.55 h1 r90
R44: M15-Bottom Assembly "2" at 21.2,37.325 h1 r180
R45: M14-Top Assembly "2" at 23.85,30.65 h0.75 r180; M14-Top Assembly "1" at 24.475,30.65 h0.75 r180
R46: M15-Bottom Assembly "2" at 17.95,11.9 h0.75 r180; M15-Bottom Assembly "1" at 17.325,11.9 h0.75 r180
R47: M14-Top Assembly "2" at 25.855,22.025 h1 r180; M14-Top Assembly "1" at 26.98,22.025 h1 r180
R48: M15-Bottom Assembly "2" at 25.1,29.35 h0.75 r270; M15-Bottom Assembly "1" at 25.1,28.725 h0.75 r270
R49: M15-Bottom Assembly "2" at 14.2,13.35 h0.75 r90; M15-Bottom Assembly "1" at 14.2,13.975 h0.75 r90
R50: M14-Top Assembly "2" at 29.98,21.545 h1 r90; M14-Top Assembly "1" at 29.98,20.42 h1 r90
R51: M15-Bottom Assembly "2" at 26.85,37.325 h1 r180
R52: M14-Top Assembly "2" at 29.5,30.65 h0.75 r180; M14-Top Assembly "1" at 30.125,30.65 h0.75 r180
R53: M15-Bottom Assembly "2" at 16.35,14.1 h0.75 r180; M15-Bottom Assembly "1" at 15.725,14.1 h0.75 r180
R54: M15-Bottom Assembly "1" at 16.9,33.65 h1 r90; M15-Bottom Assembly "2" at 16.85,27.8 h1 r90
R55: M15-Bottom Assembly "1" at 22.55,33.65 h1 r90; M15-Bottom Assembly "2" at 22.5,27.8 h1 r90
R56: M15-Bottom Assembly "2" at 28.15,27.8 h1 r90; M15-Bottom Assembly "1" at 28.2,33.65 h1 r90
R57: M15-Bottom Assembly "2" at 16.5,22.95 h0.75; M15-Bottom Assembly "1" at 17.125,22.95 h0.75
R58: M15-Bottom Assembly "2" at 21.05,23.6 h0.75 r180; M15-Bottom Assembly "1" at 20.425,23.6 h0.75 r180
R59: M15-Bottom Assembly "2" at 27.89,23.4 h0.75 r270; M15-Bottom Assembly "1" at 27.89,22.775 h0.75 r270
R60: M15-Bottom Assembly "2" at 29.1,21.4 h0.75 r270; M15-Bottom Assembly "1" at 29.1,20.775 h0.75 r270
R61: M15-Bottom Assembly "2" at 14.625,24.5 h1 r90; M15-Bottom Assembly "1" at 14.625,25.625 h1 r90
R62: M15-Bottom Assembly "2" at 20.475,24.6 h1 r90; M15-Bottom Assembly "1" at 20.475,25.725 h1 r90
R63: M15-Bottom Assembly "1" at 27.325,23.85 h1 r90; M15-Bottom Assembly "2" at 27.325,22.775 h1 r90
R64: M15-Bottom Assembly "2" at 16.5,22 h0.75; M15-Bottom Assembly "1" at 17.125,22 h0.75
R65: M15-Bottom Assembly "2" at 18.15,23.7 h0.75; M15-Bottom Assembly "1" at 18.775,23.7 h0.75
R66: M15-Bottom Assembly "1" at 23.225,25.23 h0.75; M15-Bottom Assembly "2" at 22.6,25.23 h0.75
R67: M15-Bottom Assembly "2" at 16.5,20.2 h0.75; M15-Bottom Assembly "1" at 17.125,20.2 h0.75
R68: M15-Bottom Assembly "2" at 15.55,21.6 h0.75 r90; M15-Bottom Assembly "1" at 15.55,22.225 h0.75 r90
R69: M15-Bottom Assembly "2" at 18.15,24.6 h0.75; M15-Bottom Assembly "1" at 18.775,24.6 h0.75
R70: M15-Bottom Assembly "2" at 22,23.95 h0.75 r270; M15-Bottom Assembly "1" at 22,23.325 h0.75 r270
R71: M15-Bottom Assembly "2" at 25.2,13.05 h0.75 r90; M15-Bottom Assembly "1" at 25.2,13.675 h0.75 r90
R72: M15-Bottom Assembly "2" at 23.76,11.35 h0.75 r270; M15-Bottom Assembly "1" at 23.76,10.725 h0.75 r270
R73: M15-Bottom Assembly "2" at 21.35,10.43 h0.75; M15-Bottom Assembly "1" at 21.975,10.43 h0.75
R74: M15-Bottom Assembly "2" at 25.4,9.55 h0.75 r180; M15-Bottom Assembly "1" at 24.775,9.55 h0.75 r180
R75: M15-Bottom Assembly "2" at 23.6,9.55 h0.75 r180; M15-Bottom Assembly "1" at 22.975,9.55 h0.75 r180
R76: M15-Bottom Assembly "2" at 15.55,19.65 h0.75 r90; M15-Bottom Assembly "1" at 15.55,20.275 h0.75 r90
R77: M15-Bottom Assembly "2" at 21.4,9.45 h0.75; M15-Bottom Assembly "1" at 22.025,9.45 h0.75
R80: M15-Bottom Assembly "2" at 16.8,21.6 h0.75 r180; M15-Bottom Assembly "1" at 16.175,21.6 h0.75 r180
R81: M15-Bottom Assembly "2" at 18.8,23.3 h0.75 r180; M15-Bottom Assembly "1" at 18.175,23.3 h0.75 r180
R82: M15-Bottom Assembly "1" at 25.025,25.25 h0.75; M15-Bottom Assembly "2" at 24.4,25.25 h0.75
RT1: M15-Bottom Assembly "2" at 28.35,26.15 h0.75 r180; M15-Bottom Assembly "1" at 27.725,26.15 h0.75 r180
SW1: M14-Top Assembly "1" at 2.325,27.69 h1 r270; M14-Top Assembly "2" at 2.325,24.015 h1 r270; M14-Top Assembly "3" at 0.725,27.69 h1 r270; M14-Top Assembly "4" at 0.7,24.04 h1 r270
TP1: M14-Top Assembly "1" at 0.975,11.425 h1 r180
TP2: M15-Bottom Assembly "1" at 22.775,13.875 h1 r270
TP3: M15-Bottom Assembly "1" at 28.075,25.025 h1 r180
U1: M15-Bottom Assembly "2" at 26.9,13.75 h0.5 r90; M15-Bottom Assembly "5" at 26.225,13.75 h0.5 r90; M15-Bottom Assembly "3" at 26.9,13.35 h0.5 r90; M15-Bottom Assembly "4" at 26.225,13.375 h0.5 r90; M15-Bottom Assembly "1" at 26.9,14.125 h0.5 r90; M15-Bottom Assembly "6" at 26.225,14.15 h0.5 r90
U2: M15-Bottom Assembly "8" at 27.275,16.55 h1 r180; M15-Bottom Assembly "7" at 27.925,16.55 h1 r180; M15-Bottom Assembly "6" at 28.55,16.55 h1 r180; M15-Bottom Assembly "5" at 29.225,16.55 h1 r180; M15-Bottom Assembly "3" at 28.575,19.1 h1 r180; M15-Bottom Assembly "2" at 27.925,19.1 h1 r180; M15-Bottom Assembly "1" at 27.35,19.1 h1 r180; M15-Bottom Assembly "4" at 29.2,19.1 h1 r180
U3: M15-Bottom Assembly "2" at 7.35,18.9 h1 r180; M15-Bottom Assembly "4" at 7.35,25.4 h1 r180; M15-Bottom Assembly "3" at 5.05,18.9 h1 r180; M15-Bottom Assembly "1" at 9.75,18.9 h1 r180
U4: M14-Top Assembly "7" at 10.085,4.06 h1 r180; M14-Top Assembly "5" at 8.935,4.21 h1 r180; M14-Top Assembly "4" at 8.285,4.235 h1 r180; M14-Top Assembly "3" at 7.61,4.21 h1 r180; M14-Top Assembly "2" at 6.96,4.21 h1 r180; M14-Top Assembly "9" at 10.435,1.785 h1 r180; M14-Top Assembly "1" at 6.235,4.21 h1 r180; M14-Top Assembly "6" at 5.16,3.96 h1 r180; M14-Top Assembly "8" at 4.71,1.785 h1 r180
U5: M15-Bottom Assembly "8" at 7.2,10.065 h1 r270; M15-Bottom Assembly "4" at 4.85,11.99 h1 r270; M15-Bottom Assembly "9" at 5.7,11.015 h1 r270; M15-Bottom Assembly "7" at 7.2,10.715 h1 r270; M15-Bottom Assembly "6" at 7.2,11.365 h1 r270; M15-Bottom Assembly "2" at 4.85,10.715 h1 r270; M15-Bottom Assembly "1" at 4.875,10.115 h1 r270; M15-Bottom Assembly "5" at 7.225,12.015 h1 r270; M15-Bottom Assembly "3" at 4.85,11.365 h1 r270
U6: M14-Top Assembly "48" at 10.755,20.935 h1 r180; M14-Top Assembly "1" at 9.005,22.36 h1 r180; M14-Top Assembly "37" at 10.755,15.435 h1 r180; M14-Top Assembly "36" at 9.33,14.16 h1 r180; M14-Top Assembly "12" at 3.78,22.235 h1 r180; M14-Top Assembly "13" at 2.43,20.91 h1 r180; M14-Top Assembly "25" at 3.83,14.16 h1 r180; M14-Top Assembly "24" at 2.405,15.435 h1 r180
U7: M15-Bottom Assembly "3" at 6,1.525 h1 r180; M15-Bottom Assembly "5" at 6.925,3.9 h1 r180; M15-Bottom Assembly "2" at 6.95,1.525 h1 r180; M15-Bottom Assembly "7" at 6.95,3.025 h1 r180; M15-Bottom Assembly "6" at 7.9,3.9 h1 r180; M15-Bottom Assembly "1" at 7.975,1.525 h1 r180; M15-Bottom Assembly "4" at 5.95,3.9 h1 r180
U8: M15-Bottom Assembly "1" at 18.35,15.625 h0.75 r270; M15-Bottom Assembly "48" at 19.2,15.025 h0.75 r270; M15-Bottom Assembly "13" at 19.225,21.35 h0.75 r270; M15-Bottom Assembly "49" at 21.725,17.975 h1 r270; M15-Bottom Assembly "25" at 25.075,20.9 h0.75 r270; M15-Bottom Assembly "12" at 18.55,20.95 h0.75 r270; M15-Bottom Assembly "24" at 24.425,21.3 h0.75 r270; M15-Bottom Assembly "36" at 25.075,15.4 h0.75 r270; M15-Bottom Assembly "37" at 24.425,15 h0.75 r270
U9: M14-Top Assembly "10" at 24.175,6.625 h1 r270; M14-Top Assembly "11" at 22.675,5.575 h1 r270; M14-Top Assembly "6" at 24.175,4.4 h1 r270; M14-Top Assembly "1" at 21.875,6.35 h1 r270; M14-Top Assembly "5" at 21.875,4.4 h1 r270
U10: M14-Top Assembly "1" at 14.425,13.575 h1; M14-Top Assembly "8" at 14.325,18.4 h1; M14-Top Assembly "2" at 15.6,13.575 h1; M14-Top Assembly "3" at 16.875,13.575 h1; M14-Top Assembly "4" at 18.125,13.55 h1; M14-Top Assembly "6" at 16.875,18.375 h1; M14-Top Assembly "7" at 15.625,18.4 h1; M14-Top Assembly "5" at 18.125,18.375 h1
U11: M14-Top Assembly "5" at 23.775,18.375 h1; M14-Top Assembly "7" at 21.275,18.4 h1; M14-Top Assembly "6" at 22.525,18.375 h1; M14-Top Assembly "4" at 23.775,13.55 h1; M14-Top Assembly "3" at 22.525,13.575 h1; M14-Top Assembly "2" at 21.25,13.575 h1; M14-Top Assembly "8" at 19.975,18.4 h1; M14-Top Assembly "1" at 20.075,13.575 h1
U12: M15-Bottom Assembly "3" at 17.275,10.6 h0.75 r270; M15-Bottom Assembly "7" at 18,9.95 h0.75 r270; M15-Bottom Assembly "4" at 18.725,10.575 h0.75 r270; M15-Bottom Assembly "6" at 18.725,9.275 h0.75 r270; M15-Bottom Assembly "5" at 18.725,9.95 h0.75 r270; M15-Bottom Assembly "2" at 17.275,9.95 h0.75 r270; M15-Bottom Assembly "1" at 17.3,9.325 h0.75 r270
U13: M14-Top Assembly "1" at 25.725,13.575 h1; M14-Top Assembly "8" at 25.625,18.4 h1; M14-Top Assembly "2" at 26.9,13.575 h1; M14-Top Assembly "3" at 28.175,13.575 h1; M14-Top Assembly "4" at 29.425,13.55 h1; M14-Top Assembly "6" at 28.175,18.375 h1; M14-Top Assembly "7" at 26.925,18.4 h1; M14-Top Assembly "5" at 29.425,18.375 h1
U14: M15-Bottom Assembly "1" at 14.825,12.75 h0.75 r180; M15-Bottom Assembly "2" at 15.45,12.775 h0.75 r180; M15-Bottom Assembly "5" at 15.45,11.325 h0.75 r180; M15-Bottom Assembly "6" at 14.775,11.325 h0.75 r180; M15-Bottom Assembly "4" at 16.075,11.325 h0.75 r180; M15-Bottom Assembly "7" at 15.45,12.05 h0.75 r180; M15-Bottom Assembly "3" at 16.1,12.775 h0.75 r180
Y1: M14-Top Assembly "2" at 7.325,26.125 h1 r180; M14-Top Assembly "1" at 10,26.125 h1 r180
Y2: M15-Bottom Assembly "2" at 14.15,16.375 h1 r270; M15-Bottom Assembly "3" at 14.15,17.6 h1 r270; M15-Bottom Assembly "1" at 14.15,15.275 h1 r270